# Altium PCB Fri3d_2024_Exp0_00.PcbDoc (part 2 of 2)
Units mm, origin at the board's own origin, x right, y up, seen from the top; angles counter-clockwise.
Board outline 99 x 104 mm, 2 copper layers (Top Layer, Bottom Layer), stack 1.571 mm thick; 37 components, 51 nets, 303 pads, 117 vias.
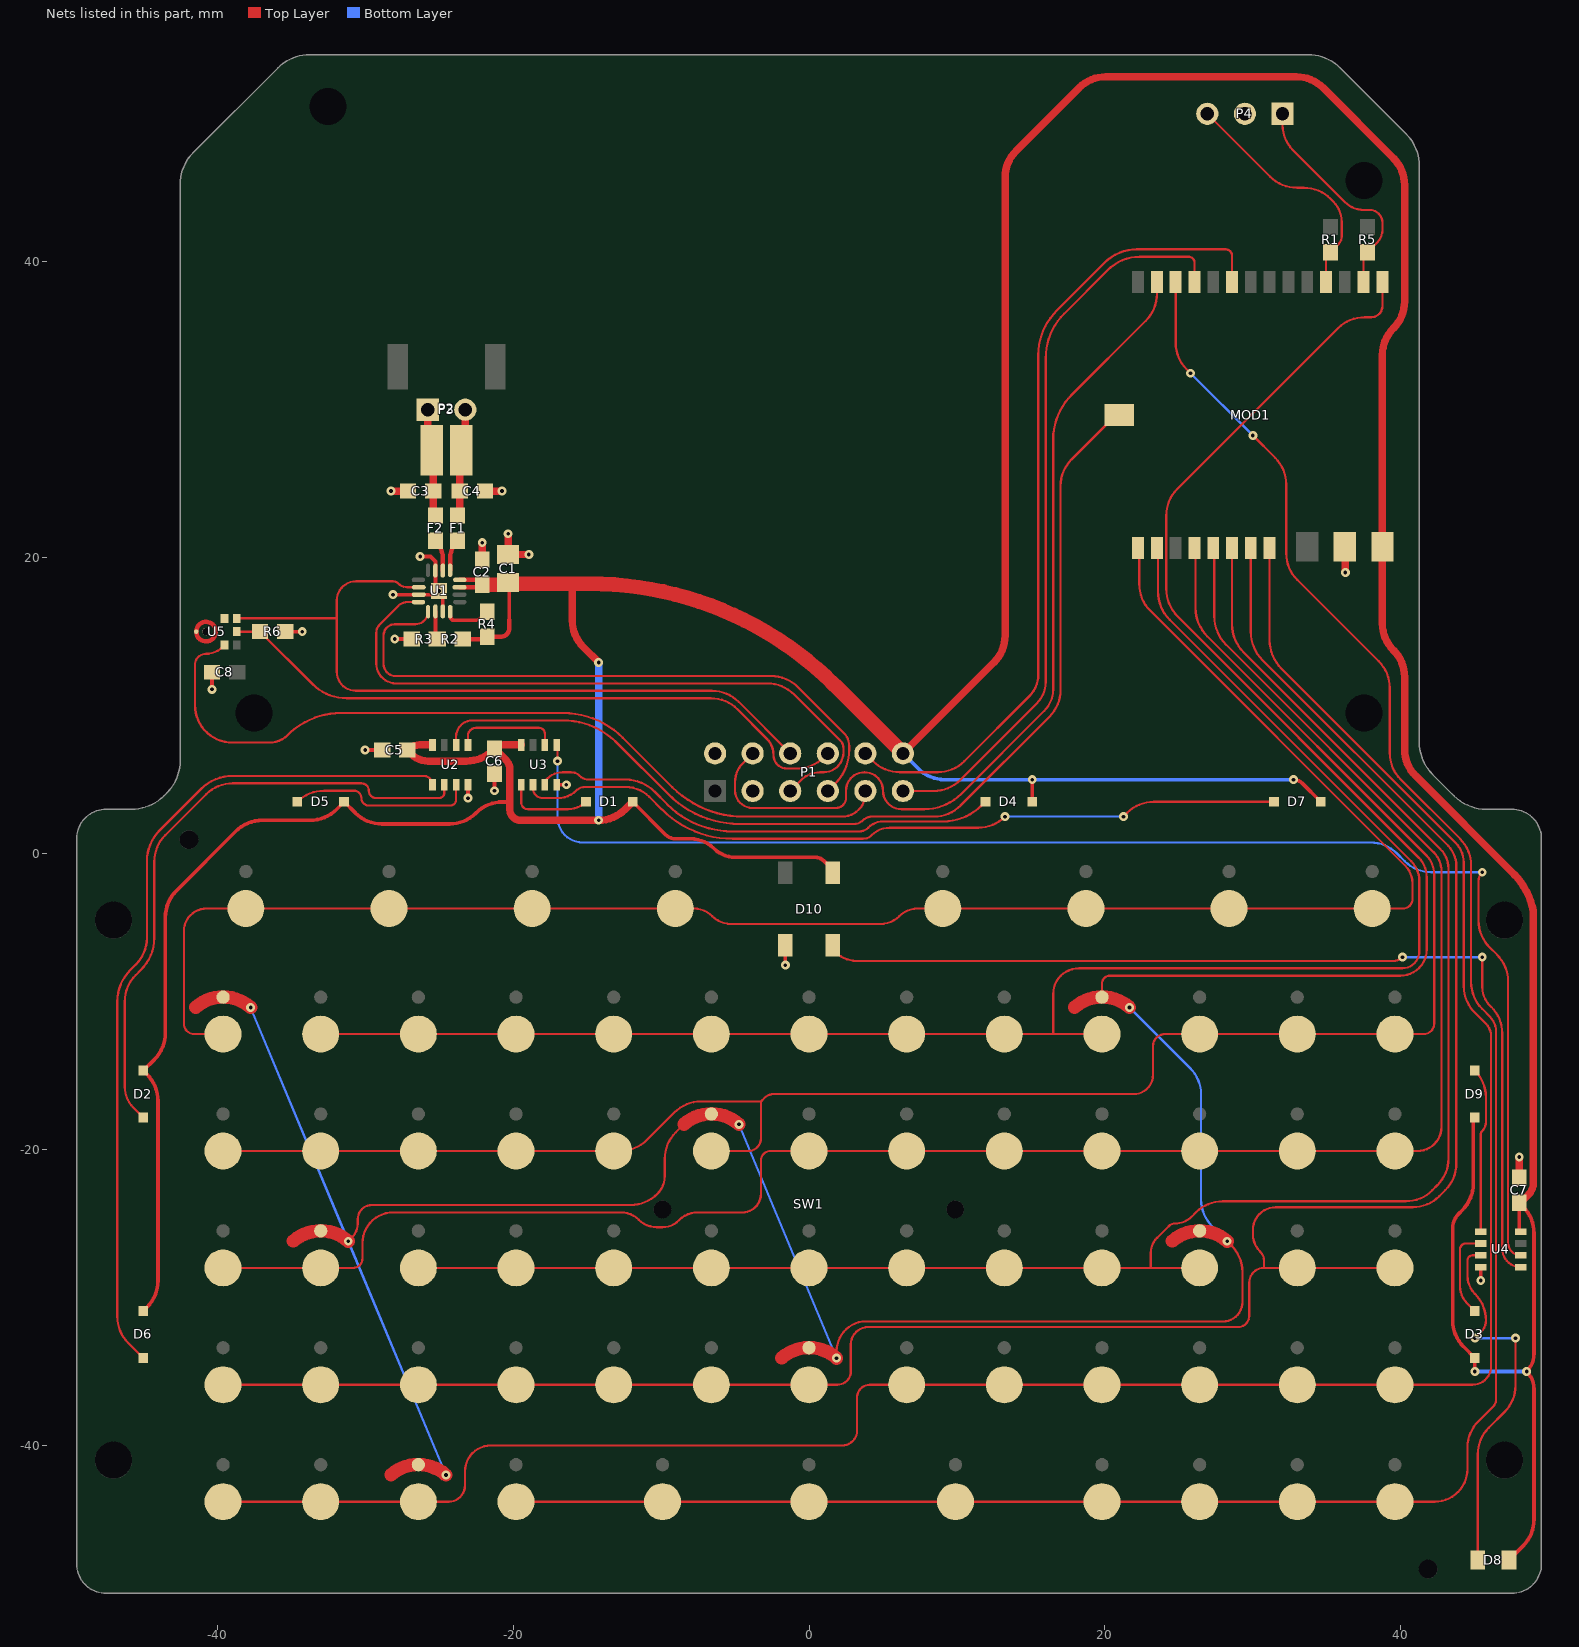
[diagram p2: the nets of this part, all layers, seen from the top]

## Via types
v1: diameter 0.6, hole 0.25, Top Layer to Bottom Layer, 117 vias

## Nets (pads, with @x,y where several pads share a name; then routed paths per layer and width w, separated by ;. In a path a pad name is that pad's centre, name@x,y a point inside that pad or via, vN(x,y) a via of type N, cw(c..) or ccw(c..) an arc to the next point about the centre after c; other vN are vias at no path point) (continued)
COL8: MOD1.12 SW1.17 SW1.35 SW1.53 SW1.71 SW1.89 SW1.107 SW1.125 | length 215.1
  Top Layer w0.15: v1(-31.138,-26.2) -30.898,-25.96 ccw(c-31.858,-25) -30.5,-25 -30.5,-24.707 cw(c-29.543,-24.707) -29.543,-23.75 -12.052,-23.75 ccw(c-12.052,-21.21) -10.256,-23.006 ccw(c-11.478,-21.784) -9.75,-21.784 -9.75,-20.637 cw(c-7.21,-20.637) -9.006,-18.841 -8.451,-18.287 ; v1(1.862,-34.1) 1.862,-33.638 cw(c3.9,-33.638) 3.584,-31.625 27.971,-31.625 ccw(c27.971,-30.301) 29.294,-30.301 29.294,-28.284 ccw(c26.754,-28.284) 28.55,-26.488 v1(28.262,-26.2) ; SW1.35@19.8,-9.699 19.8,-9.69 19.8,-8.79 cw(c20.34,-8.79) 20.34,-8.25 39.978,-8.25 ccw(c39.978,-6.478) 41.75,-6.478 41.75,-1.596 ccw(c39.864,-1.596) 41.197,-0.262 24.935,16 cw(c26.842,17.907) 24.145,17.907 24.145,22.843 cw(c26.685,22.843) 24.889,24.639 35.756,35.506 cw(c37.552,33.71) 37.552,36.25 38,36.25 ccw(c38,37) 38.75,37 MOD1.12@38.75,38.63
  Bottom Layer w0.15: v1(-37.738,-10.4) v1(-31.138,-26.2) v1(-24.538,-42) ; v1(-4.738,-18.3) v1(1.862,-34.1) ; v1(21.662,-10.4) 25.756,-14.494 cw(c23.96,-16.29) 26.5,-16.29 26.5,-23.386 ccw(c29.04,-23.386) 27.244,-25.182 v1(28.262,-26.2)
ESP.IO2: P1.5 U1.16 | length 45.2
  Top Layer w0.15: U1.16@-26.4,17 -27.146,17 ccw(c-27.146,16.146) -27.75,16.75 -29.021,15.479 ccw(c-28.469,14.927) -29.25,14.927 -29.25,12.85 ccw(c-27.9,12.85) -27.9,11.5 -2.802,11.5 cw(c-2.802,8.96) -1.006,10.756 2.113,7.637 ; P1.5@-1.27,4.23 -0.53,4.97 cw(c0.75,3.689) 0.75,5.5 0.999,5.5 ccw(c0.999,6.824) 2.323,6.824 2.323,7.13 ccw(c1.607,7.13) 2.114,7.636
ESP.IO15: P1.8 R6.1 U5.6 | length 44.3
  Top Layer w0.15: U5.6@-38.676,15 R6.1@-37.1,15 -33.554,11.455 ccw(c-31.25,13.759) -31.25,10.5 -8.898,10.5 -6.636,10.5 cw(c-6.636,7.96) -4.84,9.756 -2.867,7.783 cw(c-4.003,6.646) -2.396,6.646 ccw(c-1.5,6.646) -1.5,5.75 -0.802,5.75 ccw(c-0.802,8.29) 0.994,6.494 P1.8@1.27,6.77
ESP.IO16: P1.7 U1.1 | length 43.4
  Top Layer w0.15: U1.1@-25.75,16.35 cw(c-26.6,16.35) -26.6,15.5 -28,15.5 ccw(c-28,14.75) -28.75,14.75 -28.75,12.81 ccw(c-27.94,12.81) -27.94,12 -4.296,12 -2.552,12 cw(c-2.552,9.46) -0.756,11.256 2.351,8.149 cw(c1.461,7.259) 2.72,7.259 2.72,7.029 cw(c-0.537,7.029) 1.766,4.726 P1.7@1.27,4.23
ESP.IO17: P1.9 U5.4 | length 56
  Top Layer w0.15: U5.4@-39.498,14.1 -39.637,13.961 cw(c-40.75,15.074) -40.75,13.5 ccw(c-40.75,12.75) -41.5,12.75 -41.5,10.04 ccw(c-38.96,10.04) -38.96,7.5 -36.457,7.5 ccw(c-36.457,9.207) -35.25,8 cw(c-31.629,4.379) -31.629,9.5 -16.603,9.5 cw(c-16.603,3.818) -12.586,7.836 -9.237,4.487 ccw(c-4.439,9.286) -4.439,2.5 2.25,2.5 ccw(c2.25,4.06) 3.81,4.06 P1.9@3.81,4.23
ESP.IO43: P1.3
ESP.IO44: MOD1.24 P1.4 | length 61.9
  Top Layer w0.15: P1.4@-3.81,6.77 -4.468,6.112 ccw(c-3.184,4.828) -5,4.828 -5,4.255 ccw(c-3.833,4.255) -3.833,3.089 1.839,3.089 ccw(c1.839,3.75) 2.5,3.75 2.5,4.25 cw(c3.75,4.25) 3.75,5.5 cw(c3.75,4.25) 5,4.25 ccw(c6.25,4.25) 6.25,3 7.793,3 ccw(c7.793,6.518) 10.28,4.03 15.896,9.646 ccw(c14.439,11.104) 16.5,11.104 16.5,27.991 cw(c20.747,27.991) 17.744,30.994 22.766,36.016 ccw(c20.97,37.812) 23.51,37.812 MOD1.24@23.51,38.63
ESP.IO47: P1.6 U1.14 U5.1 | length 51
  Top Layer w0.15: U5.1@-38.676,15.9 -31.92,15.9 ; U1.14@-26.375,18 -27.146,18 cw(c-27.146,18.854) -27.75,18.25 ccw(c-28.112,17.888) -28.112,18.4 -30.626,18.4 ccw(c-30.626,17.106) -31.92,17.106 -31.92,15.9 ; P1.6@-1.27,6.77 -4.756,10.256 ccw(c-6.552,8.46) -6.55,11 ccw(c-6.552,8.46) -6.552,11 -6.679,11 -30.63,11 cw(c-30.63,12.29) -31.92,12.29 -31.92,15.9
GND: C1.2 C2.2 C3.2 C4.2 C5.2 C6.2 C7.2 C8.2 D10.3 MOD1.10 P1.2 P4.2 R3.2 R6.2 U1.3 U1.11 U1.15 U1.17 U2.4 U3.4 U4.4 U5.2 U5.3 | length 26.9
  Top Layer w0.25: v1(-40.35,11.1) C8.2@-40.35,12.25 ; R6.2@-35.4,15 v1(-34.25,15) ; v1(-30,7) C5.2@-28.85,7 ; v1(-28.112,17.5) U1.15@-26.375,17.5 -25.25,17.5 v1(-25,17.75) ; v1(-28,14.5) R3.2@-26.85,14.5 ; v1(-26.283,20.082) -25.586,20.082 -25.25,19.746 U1.11@-25.25,19.125 -25.25,18 v1(-25,17.75) ; U1.3@-24.75,16.375 -24.75,17.5 v1(-25,17.75) ; v1(-23.05,3.75) U2.4@-23.05,4.65 ; v1(-21.25,4.25) C6.2@-21.25,5.4 ; U3.4@-17.05,4.65 v1(-16.4,4.65) ; v1(-1.6,-7.54) D10.3@-1.6,-6.2 ; v1(45.4,-28.85) U4.4@45.4,-27.95
  Top Layer w0.5: v1(-28.25,24.5) C3.2@-27.1,24.5 ; C2.2@-22.087,19.863 v1(-22.087,21.013) ; C4.2@-21.9,24.5 v1(-20.75,24.5) ; v1(-20.337,21.613) C1.2@-20.337,20.213 v1(-18.937,20.213) ; MOD1.10@36.21,20.75 cw(c36.113,20.653) 36.25,20.653 v1(36.25,19) ; C7.2@48,-21.9 v1(48,-20.5)
I2C.SCL: MOD1.22 P1.11 | length 50
  Top Layer w0.15: P1.11@6.35,4.23 8.428,4.23 ccw(c8.428,6.77) 10.224,4.974 15.396,10.146 ccw(c13.939,11.604) 16,11.604 16,33.491 cw(c20.247,33.491) 17.244,36.494 20.192,39.442 cw(c22.355,37.279) 22.355,40.338 25.662,40.338 cw(c25.662,39.95) 26.05,39.95 MOD1.22@26.05,38.63
I2C.SDA: MOD1.20 P1.10 | length 55.5
  Top Layer w0.15: P1.10@3.81,6.77 4.336,6.244 ccw(c6.132,8.04) 6.132,5.5 8.698,5.5 ccw(c8.698,8.04) 10.494,6.244 14.896,10.646 ccw(c13.439,12.104) 15.5,12.104 15.5,33.698 cw(c19.747,33.698) 16.744,36.701 19.985,39.942 cw(c22.148,37.779) 22.148,40.838 28.162,40.838 cw(c28.162,40.41) 28.59,40.41 MOD1.20@28.59,38.63
LED.DATA: MOD1.26 U2.6 | length 68.7
  Top Layer w0.15: U2.6@-23.85,7.35 -23.85,7.9 cw(c-22.75,7.9) -22.75,9 -16.613,9 cw(c-16.613,3.899) -13.006,7.506 -9.487,3.987 ccw(c-4.689,8.786) -4.689,2 3.043,2 ccw(c3.043,2.854) 3.646,2.25 cw(c4.25,1.646) 4.25,2.5 8.448,2.5 ccw(c8.448,5.04) 10.244,3.244 16.256,9.256 ccw(c14.46,11.052) 17,11.052 17,24.846 cw(c19.54,24.846) 17.744,26.642 20.581,29.479 cw(c20.97,29.09) MOD1.26@20.97,29.64
NetD1_2: D1.2 U3.1 | length 6
  Top Layer w0.15: U3.1@-19.45,4.65 -19.45,3.45 ccw(c-19,3.45) -19,3 -16.292,3 ccw(c-16.292,4.707) D1.2@-15.085,3.5
NetD2_2: D2.2 U2.2 | length 41.8
  Top Layer w0.15: D2.2@-45,-17.835 -45.66,-17.175 cw(c-44.234,-15.75) -46.25,-15.75 -46.25,-10.009 cw(c-43.71,-10.009) -45.506,-8.213 -45.14,-7.848 ccw(c-47.29,-5.698) -44.25,-5.698 -44.25,-0.552 cw(c-41.71,-0.552) -43.506,1.244 -40.744,4.006 cw(c-38.948,2.21) -38.948,4.75 -30.25,4.75 cw(c-30.25,4.25) -29.75,4.25 ccw(c-29.25,4.25) -29.25,3.75 -25,3.75 ccw(c-25,4.1) -24.65,4.1 U2.2@-24.65,4.65
NetD3_2: D3.2 U4.2 | length 6.1
  Top Layer w0.15: D3.2@45,-30.915 44.47,-30.385 cw(c45.605,-29.25) 44,-29.25 44,-26.75 cw(c44.4,-26.75) 44.4,-26.35 U4.2@45.4,-26.35
NetD4_2: D4.2 U3.3 | length 31.9
  Top Layer w0.15: U3.3@-17.85,4.65 cw(c-17.246,4.65) -17.673,5.077 cw(c-16.651,4.055) -16.651,5.5 -16.104,5.5 cw(c-16.104,4.646) -15.5,5.25 ccw(c-14.896,5.854) -14.896,5 -12.384,5 cw(c-12.384,2.263) -10.448,4.198 -9.575,3.325 ccw(c-5.168,7.732) -5.168,1.5 3.396,1.5 ccw(c3.396,2.354) 4,1.75 cw(c5.03,0.72) 5.03,2.177 9.082,2.177 ccw(c9.082,5.821) 11.659,3.244 D4.2@11.915,3.5
NetD5_2: D5.2 U2.3 | length 12.7
  Top Layer w0.15: D5.2@-34.585,3.5 -34.579,3.506 cw(c-32.783,1.71) -32.783,4.25 -30.75,4.25 cw(c-30.75,3.75) -30.25,3.75 ccw(c-29.75,3.75) -29.75,3.25 -24.25,3.25 ccw(c-24.25,3.65) -23.85,3.65 U2.3@-23.85,4.65
NetD6_2: D6.2 U2.1 | length 57.3
  Top Layer w0.15: D6.2@-45,-34.085 -46.006,-33.079 cw(c-44.21,-31.283) -46.75,-31.283 -46.75,-10.009 cw(c-43.71,-10.009) -45.86,-7.86 -45.494,-7.494 ccw(c-47.29,-5.698) -44.75,-5.698 -44.75,-0.552 cw(c-41.71,-0.552) -43.86,1.598 -41.098,4.36 cw(c-38.948,2.21) -38.948,5.25 -26.05,5.25 cw(c-26.05,4.65) U2.1@-25.45,4.65
NetD7_2: D7.2 U3.2 | length 52.7
  Top Layer w0.15: U3.2@-18.65,4.65 -18.65,4.4 ccw(c-18,4.4) -18,3.75 -16.957,3.75 ccw(c-16.957,5.457) -15.75,4.25 cw(c-15.146,3.646) -15.146,4.5 -12.384,4.5 cw(c-12.384,2.263) -10.802,3.845 -9.929,2.972 ccw(c-5.168,7.732) -5.168,1 3.646,1 ccw(c3.646,1.854) 4.25,1.25 cw(c5.457,0.043) 5.457,1.75 11.439,1.75 ccw(c11.439,4.311) v1(13.25,2.5) ; v1(21.25,2.5) 21.506,2.756 cw(c23.302,0.96) 23.302,3.5 D7.2@31.415,3.5
  Bottom Layer w0.15: v1(13.25,2.5) v1(21.25,2.5)
NetD8_2: D8.2 U4.3 | length 25.5
  Top Layer w0.15: v1(45,-32.75) 45.433,-32.317 ccw(c44.669,-31.552) 45.75,-31.552 ccw(c43.21,-31.552) 45.555,-30.576 ccw(c45.33,-30.58) 45.48,-30.412 ccw(c43.21,-31.552) 45.006,-29.756 45,-29.75 cw(c46.207,-28.543) 44.5,-28.543 44.5,-27.5 cw(c44.85,-27.5) 44.85,-27.15 U4.3@45.4,-27.15 ; D8.2@45.2,-47.75 45.2,-40.602 cw(c47.74,-40.602) 45.944,-38.806 47.006,-37.744 ccw(c45.21,-35.948) 47.75,-35.948 v1(47.75,-32.75)
  Bottom Layer w0.15: v1(45,-32.75) v1(47.75,-32.75)
NetD9_2: D9.2 U4.1 | length 11.2
  Top Layer w0.15: D9.2@45,-14.665 45.006,-14.671 cw(c43.21,-16.467) 45.75,-16.467 45.75,-18.146 cw(c44.896,-18.146) 45.5,-18.75 ccw(c45.741,-18.991) 45.4,-18.991 U4.1@45.4,-25.55
NetD10_4: D10.4 U4.5 | length 66.5
  Top Layer w0.15: D10.4@1.6,-6.2 ccw(c2.245,-6.2) 1.789,-6.656 ccw(c3.222,-5.223) 3.222,-7.25 ; 3.222,-7.25 39.503,-7.25 ccw(c39.503,-6.396) v1(40.106,-7) ; v1@45.5,-6.993 v1(45.5,-7) 45.5,-9.023 ccw(c47.271,-9.023) 46.112,-10.362 cw(c44.316,-12.158) 46.856,-12.158 46.856,-26.706 ccw(c48.1,-26.706) U4.5@48.1,-27.95
  Bottom Layer w0.15: v1(40.106,-7) v1(45.5,-7)
NetF1_1: F1.1 U1.9 | length 2.1
  Top Layer w0.3: U1.9@-24.25,19.15 -24.25,19.943 cw(c-22.543,19.943) F1.1@-23.75,21.15
NetF2_1: F2.1 U1.10 | length 2.2
  Top Layer w0.3: F2.1@-25.25,21.15 cw(c-26.457,19.943) -24.75,19.943 U1.10@-24.75,19.125
NetR2_1: R2.1 R3.1 U1.2 | length 1.9
  Top Layer w0.25: U1.2@-25.25,16.375 -25.25,14.6 R3.1@-25.15,14.5
NetU2_5: U2.5 U3.6 | length 7.1
  Top Layer w0.15: U2.5@-23.05,7.35 -23.05,7.95 cw(c-22.5,7.95) -22.5,8.5 -18.25,8.5 cw(c-18.25,8.1) -17.85,8.1 U3.6@-17.85,7.35
NetU3_5: U3.5 U4.6 | length 96.1
  Top Layer w0.15: U3.5@-17.05,7.35 -17,7.3 v1(-17,6.25) ; v1@45.5,-1.25 ccw(c46.104,-1.854) 45.25,-1.854 45.25,-4.534 ccw(c47.79,-4.534) 45.994,-6.33 46.506,-6.842 cw(c44.71,-8.638) 47.25,-8.638 47.25,-26.3 ccw(c48.1,-26.3) U4.6@48.1,-27.15
  Bottom Layer w0.15: v1(-17,6.25) -17,2.457 ccw(c-15.293,2.457) -16.5,1.25 ccw(c-15.293,2.457) -15.293,0.75 37.948,0.75 cw(c37.948,-1.79) 39.744,0.006 40.264,-0.514 ccw(c42.06,1.283) 42.06,-1.257 v1(45.5,-1.257)
ROW0: MOD1.1 SW1.2 SW1.4 SW1.6 SW1.8 SW1.10 SW1.12 SW1.14 SW1.16 SW1.18 | length 125.4
  Top Layer w0.15: SW1.18@-39.6,-12.2 -41.55,-12.2 cw(c-41.55,-11.5) -42.25,-11.5 -42.25,-5.25 cw(c-40.71,-5.25) -40.71,-3.71 SW1.2@-38.06,-3.71 SW1.4@-28.385,-3.71 SW1.6@-18.71,-3.71 SW1.8@-9.035,-3.71 -7.788,-3.71 cw(c-7.788,-5.485) -6.533,-4.23 ccw(c-5.277,-2.975) -6.532,-4.231 ccw(c-5.277,-2.975) -5.277,-4.75 4.841,-4.75 ccw(c4.841,-2.975) 6.096,-4.23 cw(c7.352,-5.485) 6.097,-4.229 cw(c7.352,-5.485) 7.352,-3.71 SW1.10@9.04,-3.71 SW1.12@18.715,-3.71 SW1.14@28.39,-3.71 SW1.16@38.065,-3.71 40.139,-3.71 ccw(c40.139,-3.059) 40.79,-3.059 40.79,-2.016 ccw(c39.091,-2.016) 40.292,-0.814 23.074,16.404 cw(c24.908,18.237) 22.315,18.237 22.315,20.575 MOD1.1@22.24,20.65
ROW1: MOD1.2 SW1.20 SW1.22 SW1.24 SW1.26 SW1.28 SW1.30 SW1.32 SW1.34 SW1.36 | length 116.3
  Top Layer w0.15: SW1.20@-33,-12.2 SW1.22@-26.4,-12.2 SW1.24@-19.8,-12.2 SW1.26@-13.2,-12.2 SW1.28@-6.6,-12.2 SW1.30@0,-12.2 SW1.32@6.6,-12.2 SW1.34@13.2,-12.2 16.5,-12.2 ; SW1.36@19.8,-12.2 16.5,-12.2 ; MOD1.2@23.51,20.65 23.585,20.575 23.585,17.717 ccw(c26.281,17.717) 24.375,15.81 40.697,-0.512 cw(c39.364,-1.846) 41.25,-1.846 41.25,-6.606 cw(c40.106,-6.606) 40.106,-7.75 18.25,-7.75 ccw(c18.25,-9.5) 16.5,-9.5 16.5,-12.2
ROW2: MOD1.4 SW1.38 SW1.40 SW1.42 SW1.44 SW1.46 SW1.48 SW1.50 SW1.52 SW1.54 | length 131.7
  Top Layer w0.15: SW1.44@-39.6,-20.1 SW1.46@-33,-20.1 SW1.48@-26.4,-20.1 SW1.50@-19.8,-20.1 SW1.52@-13.2,-20.1 -12.758,-20.1 ccw(c-12.758,-17.56) -10.962,-19.356 -9.1,-17.494 cw(c-7.304,-19.29) -7.304,-16.75 -3.25,-16.75 ; SW1.54@-6.6,-20.1 -4.1,-20.1 ccw(c-4.1,-19.25) -3.25,-19.25 -3.25,-16.75 ; MOD1.4@26.05,20.65 26.125,20.575 26.125,16.599 ccw(c28.839,16.599) 26.92,14.679 41.697,-0.098 cw(c40.364,-1.432) 42.25,-1.432 42.25,-11.5 cw(c41.55,-11.5) 41.55,-12.2 SW1.42@39.6,-12.2 SW1.40@33,-12.2 SW1.38@26.4,-12.2 24.05,-12.2 ccw(c24.05,-13) 23.25,-13 23.25,-14.957 cw(c21.957,-14.957) 23.205,-15.295 cw(c21.957,-14.957) 22.295,-16.205 cw(c21.957,-14.957) 21.957,-16.25 -2.396,-16.25 ccw(c-2.396,-17.104) -3,-16.5 -3.25,-16.75
ROW3: MOD1.5 SW1.56 SW1.58 SW1.60 SW1.62 SW1.64 SW1.66 SW1.68 SW1.70 SW1.72 | length 135.1
  Top Layer w0.15: SW1.70@-39.6,-28 SW1.72@-33,-28 -30.812,-28 ccw(c-30.812,-27.368) -30.18,-27.368 -30.18,-26.321 cw(c-28.109,-26.321) -28.109,-24.25 -12.707,-24.25 cw(c-12.707,-25.957) -11.501,-24.749 ; -11.5,-24.75 ccw(c-10.293,-23.543) -10.293,-25.25 -9.906,-25.25 ccw(c-9.906,-23.667) -8.786,-24.786 -8.75,-24.75 cw(c-7.543,-25.957) -7.543,-24.25 -4.5,-24.25 ccw(c-4.5,-23) -3.25,-23 -3.25,-20.75 cw(c-2.6,-20.75) -2.6,-20.1 SW1.56@0,-20.1 SW1.58@6.6,-20.1 SW1.60@13.2,-20.1 SW1.62@19.8,-20.1 SW1.64@26.4,-20.1 SW1.66@33,-20.1 SW1.68@39.6,-20.1 41.121,-20.1 ccw(c41.121,-18.471) 42.75,-18.471 42.75,-1.225 ccw(c40.864,-1.225) 42.197,0.109 28.19,14.117 cw(c30.109,16.036) 27.395,16.036 27.395,20.575 MOD1.5@27.32,20.65
ROW4: MOD1.6 SW1.74 SW1.76 SW1.78 SW1.80 SW1.82 SW1.84 SW1.86 SW1.88 SW1.90 | length 124.2
  Top Layer w0.15: SW1.74@-26.4,-28 SW1.76@-19.8,-28 SW1.78@-13.2,-28 SW1.80@-6.6,-28 SW1.82@0,-28 SW1.84@6.6,-28 SW1.86@13.2,-28 SW1.88@19.8,-28 23.1,-28 ; 23.528,-25.959 ccw(c24.564,-26.993) 23.1,-26.993 23.1,-28 ; 23.529,-25.958 24.306,-25.181 cw(c24.744,-25.619) 24.744,-25 ccw(c24.744,-23.415) 25.025,-24.975 ccw(c24.744,-23.415) 25.864,-24.536 26.156,-24.244 cw(c27.952,-26.04) 27.952,-23.5 40.331,-23.5 ccw(c40.331,-20.96) 42.127,-22.756 42.477,-22.405 ccw(c40.681,-20.609) 43.221,-20.609 43.221,-1.03 ccw(c41.335,-1.03) 42.669,0.304 29.385,13.588 cw(c31.304,15.507) 28.59,15.507 MOD1.6@28.59,20.65 ; SW1.90@26.4,-28 23.1,-28
ROW5: MOD1.7 SW1.92 SW1.94 SW1.96 SW1.98 SW1.100 SW1.102 SW1.104 SW1.106 SW1.108 | length 151.6
  Top Layer w0.15: SW1.96@-39.6,-35.9 SW1.98@-33,-35.9 SW1.100@-26.4,-35.9 SW1.102@-19.8,-35.9 SW1.104@-13.2,-35.9 SW1.106@-6.6,-35.9 SW1.108@0,-35.9 1.921,-35.9 ccw(c1.921,-34.994) 2.827,-34.994 2.827,-33.173 cw(c4,-33.173) 4,-32 29,-32 ccw(c29,-31.25) 29.75,-31.25 29.75,-29 cw(c30.75,-29) 30.75,-28 ; MOD1.7@29.86,20.65 29.86,14.985 ccw(c32.574,14.985) 30.655,13.066 43.197,0.523 cw(c41.864,-0.811) 43.75,-0.811 43.75,-20.948 cw(c41.21,-20.948) 43.006,-22.744 42.594,-23.156 cw(c40.798,-21.36) 40.798,-23.9 31.545,-23.9 ccw(c31.545,-25.445) 30,-25.445 30,-25.738 ccw(c31.599,-25.738) 30.468,-26.868 30.503,-26.903 cw(c29.905,-27.5) 30.75,-27.5 30.75,-28 ; SW1.94@39.6,-28 SW1.92@33,-28 30.75,-28
ROW6: MOD1.8 SW1.110 SW1.112 SW1.114 SW1.116 SW1.118 SW1.120 SW1.122 SW1.124 SW1.126 | length 153.4
  Top Layer w0.15: SW1.122@-39.6,-43.8 SW1.126@-26.401,-43.8 ; SW1.126@-26.4,-43.801 -24.355,-43.801 ccw(c-24.355,-42.696) -23.25,-42.696 -23.25,-41.748 cw(c-21.502,-41.748) -21.502,-40 2.25,-40 ccw(c2.25,-39) 3.25,-39 3.25,-36.75 cw(c4.1,-36.75) 4.1,-35.9 SW1.110@6.6,-35.9 SW1.112@13.2,-35.9 SW1.114@19.8,-35.9 SW1.116@26.4,-35.9 SW1.118@33,-35.9 SW1.120@39.6,-35.9 44.85,-35.9 ccw(c44.85,-34.651) 46.099,-34.651 46.099,-12.344 ccw(c44.906,-12.344) 45.75,-11.5 44.994,-10.744 cw(c46.79,-8.948) 44.593,-10.222 cw(c46.79,-8.948) 44.25,-8.948 44.25,-0.604 ccw(c42.364,-0.604) 43.697,0.73 31.925,12.503 cw(c33.844,14.422) 31.13,14.422 MOD1.8@31.13,20.65
ROW7: MOD1.23 SW1.128 SW1.130 SW1.132 SW1.134 SW1.136 SW1.138 SW1.140 SW1.142 | length 154.6
  Top Layer w0.15: SW1.128@-19.8,-43.801 SW1.130@-9.9,-43.801 SW1.132@0,-43.801 SW1.134@9.9,-43.801 SW1.136@19.8,-43.801 SW1.138@26.4,-43.801 SW1.140@33,-43.801 SW1.142@39.6,-43.801 42.299,-43.801 ccw(c42.299,-41.6) 44.5,-41.6 44.5,-40.152 cw(c47.04,-40.152) 45.244,-38.356 46.256,-37.344 ccw(c45.82,-36.908) 46.437,-36.908 46.437,-12.046 ccw(c44.967,-12.046) 46.006,-11.006 45.494,-10.494 cw(c47.29,-8.698) 44.75,-8.698 44.75,-0.802 ccw(c42.21,-0.802) 44.006,0.994 39.994,5.006 cw(c41.79,6.802) 39.25,6.802 39.25,11.198 ccw(c36.71,11.198) 38.506,12.994 32.994,18.506 cw(c34.79,20.302) 32.25,20.302 32.25,24.948 ccw(c29.71,24.948) 31.506,26.744 v1(30,28.25) ; MOD1.23@24.78,38.63 24.78,34.522 ccw(c27.32,34.522) 25.524,32.726 v1(25.786,32.464)
  Bottom Layer w0.15: v1(25.786,32.464) v1(30,28.25)
S\D\_\M\O\D\E\: R4.2 U1.4 | length 3.2
  Top Layer w0.25: U1.4@-24.25,16.35 -24.25,16.05 ccw(c-23.962,16.05) -23.962,15.762 -22.63,15.762 ccw(c-22.63,16.548) -22.074,15.992 cw(c-21.992,15.992) -22.05,16.05 R4.2@-21.75,16.35
SPK_N: C3.1 F2.2 P2.2 P3.1 | length 7.3
  Top Layer w0.5: P3.1@-25.77,30 -25.77,27.902 ccw(c-24.848,27.902) P2.2@-25.5,27.25 cw(c-25.742,27.008) -25.4,27.008 C3.1@-25.4,24.5 -25.4,23.212 ccw(c-24.888,23.212) F2.2@-25.25,22.85
SPK_P: C4.1 F1.2 P2.1 P3.2 | length 7.3
  Top Layer w0.5: F1.2@-23.75,22.85 ccw(c-24.112,23.212) -23.6,23.212 C4.1@-23.6,24.5 -23.6,27.008 cw(c-23.258,27.008) P2.1@-23.5,27.25 ccw(c-24.152,27.902) -23.23,27.902 P3.2@-23.23,30
SWC: MOD1.15 P4.3 R1.2 | length 16.7
  Top Layer w0.15: P4.3@26.92,50 31.176,45.744 ccw(c32.972,47.54) 32.972,45 33.448,45 cw(c33.448,42.46) 35.244,44.256 35.427,44.073 cw(c34.043,42.689) 36,42.689 36,41.699 cw(c35.277,41.699) 35.789,41.189 R1.2@35.25,40.65 34.94,40.34 MOD1.15@34.94,38.63
SWD: MOD1.13 P4.1 R5.2 | length 15.3
  Top Layer w0.15: P4.1@32,50 32,49.254 ccw(c34.424,49.254) 32.709,47.541 36.22,44.03 ccw(c37.5,45.311) 37.5,43.5 37.896,43.5 cw(c37.896,42.646) 38.499,43.251 cw(c37.896,42.646) 38.75,42.646 38.75,42.148 cw(c37.547,42.148) 38.398,41.298 ; MOD1.13@37.48,38.63 37.48,40.38 R5.2@37.75,40.65 38.398,41.297
VSYS: C1.1 C2.1 C5.1 C6.1 C7.1 D1.1 D2.1 D3.1 D4.1 D5.1 D6.1 D7.1 D8.1 D9.1 D10.1 MOD1.11 P1.12 R2.2 R4.1 U1.7 U1.8 U2.8 U3.8 U4.8 | length 382.2
  Top Layer w0.25: D6.1@-45,-30.915 -44.744,-30.659 ccw(c-46.54,-28.863) -44,-28.863 -44,-16.717 ccw(c-46.54,-16.717) -44.744,-14.921 D2.1@-45,-14.665 -44.244,-13.909 ccw(c-46.04,-12.113) -43.5,-12.113 -43.5,-4.302 cw(c-40.96,-4.302) -42.756,-2.506 -38.744,1.506 cw(c-36.948,-0.29) -36.948,2.25 -33.717,2.25 ccw(c-33.717,4.79) -31.921,2.994 D5.1@-31.415,3.5 -30.659,2.744 ccw(c-28.863,4.54) -28.863,2 -24.302,2 ccw(c-24.302,4.54) -22.506,2.744 -22.501,2.749 cw(c-20.705,0.953) -20.705,3.493 -20.215,3.493 ; -20.25,15.813 C1.1@-20.25,18.226 ; D1.1@-11.915,3.5 -9.708,1.293 ccw(c-9,2.002) -9,1 -8.519,1 -7.996,1 cw(c-7.996,-1.19) -6.447,0.359 ccw(c-4.978,1.828) -6.062,0.055 ccw(c-4.978,1.828) -4.978,-0.25 0.428,-0.25 cw(c0.428,-1.021) 0.973,-0.476 1.46,-0.963 cw(c1.123,-1.3) D10.1@1.6,-1.3 ; D4.1@15.085,3.5 v1(15.085,5) ; v1(32.75,5) cw(c32.75,4.191) 33.322,4.763 D7.1@34.585,3.5 ; v1(45,-35) D3.1@45,-34.085 44.244,-33.329 cw(c46.04,-31.533) 43.5,-31.533 43.5,-25.354 cw(c44.957,-25.354) 43.927,-24.323 44.152,-24.097 ccw(c42.356,-22.301) 44.896,-22.301 44.896,-18.084 cw(c45.247,-18.084) D9.1@45,-17.835 ; D8.1@47.3,-47.75 48.256,-46.794 ccw(c46.46,-44.998) 49,-44.998 49,-36.207 ccw(c47.293,-36.207) v1(48.5,-35) ccw(c47.293,-33.793) 49,-33.793 49,-25.652 ccw(c46.46,-25.652) 48.256,-23.856 C7.1@48,-23.6 48,-25.55 U4.8@48.1,-25.55
  Top Layer w0.3: U1.7@-23.625,18 -22.25,18 ccw(c-22.25,18.163) C2.1@-22.087,18.163 ccw(c-22.424,18.163) -22.424,18.5 U1.8@-23.6,18.5 ; R2.2@-23.4,14.5 -22.112,14.5 ccw(c-22.112,15.012) R4.1@-21.75,14.65 -20.85,14.65 ccw(c-20.85,15.25) -20.25,15.25 -20.25,15.813
  Top Layer w0.5: U2.8@-25.45,7.35 -26.305,7.35 ccw(c-26.305,6.155) C5.1@-27.15,7 -26.859,6.71 ccw(c-25.75,7.819) -25.75,6.25 -23.152,6.25 ccw(c-23.152,8.79) -21.356,6.994 C6.1@-21.25,7.1 ; C2.1@-22.087,18.163 cw(c-21.937,18.163) C2.1@-21.937,18.313 ; C1.1@-20.337,18.313 cw(c-20.337,18.226) C1.1@-20.25,18.226 ; U3.8@-19.45,7.35 -20.647,7.35 ccw(c-20.647,6.497) C6.1@-21.25,7.1 ; -16.001,18.243 -16,18.242 -16,15.756 ccw(c-13.46,15.756) -15.256,13.96 v1(-14.217,12.921) ; D1.1@-11.915,3.5 -12.421,2.994 cw(c-14.217,4.79) v1(-14.217,2.25) -19.5,2.25 cw(c-19.5,2.965) -20.215,2.965 -20.215,3.493 -20.215,5.682 ccw(c-21.138,5.682) -20.485,6.335 C6.1@-21.25,7.1 ; P1.12@6.35,6.77 12.506,12.926 ccw(c10.71,14.722) 13.25,14.722 13.25,45.698 cw(c15.79,45.698) 13.994,47.494 18.256,51.756 cw(c20.052,49.96) 20.052,52.5 32.948,52.5 cw(c32.948,49.96) 34.744,51.756 39.506,46.994 cw(c37.71,45.198) 40.25,45.198 40.25,37.302 cw(c37.71,37.302) 39.506,35.506 39.494,35.494 ccw(c41.29,33.698) 38.75,33.698 MOD1.11@38.75,20.75 38.75,15.552 ccw(c41.29,15.552) 39.494,13.756 39.506,13.744 cw(c37.71,11.948) 40.25,11.948 40.25,7.052 ccw(c42.79,7.052) 40.994,5.256 47.646,-1.396 cw(c44.32,-4.723) 48.95,-3.892 48.95,-22.3 cw(c47.89,-22.287) 48.64,-23.036 48.13,-23.546 cw(c48,-23.417) C7.1@48,-23.6
  Top Layer w1: C2.1@-22.078,18.172 -20.478,18.172 C1.1@-20.337,18.313 ; C1.1@-20.408,18.243 C1.1@-20.266,18.243 ; C1.1@-20.25,18.226 C1.1@-20.266,18.243 ; P1.12@6.35,6.77 1.753,11.367 ccw(c-14.847,-5.232) -14.846,18.243 -16.001,18.243 C1.1@-20.266,18.243
  Bottom Layer w0.25: P1.12@6.35,6.77 7.376,5.744 ccw(c9.172,7.54) 9.172,5 v1(15.085,5) v1(32.75,5) ; v1(45,-35) v1(48.5,-35)
  Bottom Layer w0.5: v1(-14.217,2.25) v1(-14.217,12.921)
pads on no net: D10.2 MOD1.3 MOD1.25 P2.M1 P2.M2 SW1.0 U1.5 U1.6 U1.12 U1.13 U2.7 U3.7 U4.7

## Polygon pours and split planes (outlines as drawn)
GND on Top Layer "NONET_L-01_P-001" (solid, remove dead copper, pour order 0): -49.5,-50 -49.5,54 49.5,54 49.5,-50
GND on Bottom Layer "NONET_L-01_P-001" (solid, remove dead copper, pour order 1): -49.5,-50 -49.5,54 49.5,54 49.5,-50

## Other copper
Bottom Layer:
  region: 32.487,42.749 31.568,40.901 31.266,41.028 31.252,41.067 31.771,42.106 29.772,41.283 32.832,40.022 32.84,39.982 29.303,36.444 25.765,39.982 25.773,40.022 28.833,41.283 26.834,42.106 27.342,41.067 27.328,41.028 27.025,40.901 26.106,42.749 26.134,42.779 29.297,41.474 32.459,42.779 hole: 29.302,41.086 26.37,39.881 28.717,37.54 27.519,39.935 27.534,39.974 27.836,40.101 29.302,37.163 30.769,40.101 31.071,39.974 31.086,39.935 29.888,37.534 32.235,39.881
  region: 395 vertices and 2 holes, not listed, extent 20.156,46.966 24.186,50.997
  region: 24.821,23.587 24.821,23.751 25.716,23.764 26.15,23.769 26.725,23.773 27.338,23.776 27.895,23.777 28.438,23.778 28.84,23.782 29.17,23.787 29.178,23.795 29.185,23.898 29.372,25.275 29.562,26.676 29.576,26.727 29.599,26.757 29.638,26.778 29.686,26.787 29.738,26.781 29.757,26.773 29.777,26.76 29.794,26.744 29.804,26.727 29.814,26.693 29.856,26.411 29.903,26.087 29.955,25.711 30.006,25.337 30.05,25.021 30.09,24.736 30.093,24.731 30.094,24.731 30.095,24.732 30.136,25.02 30.181,25.34 30.233,25.721 30.333,26.443 30.375,26.66 30.422,26.754 30.495,26.789 30.568,26.754 30.616,26.659 30.658,26.441 30.76,25.715 30.813,25.332 30.858,25.012 30.899,24.727 30.899,24.726 30.9,24.727 30.932,24.953 31.044,25.77 31.166,26.67 31.167,26.692 31.178,26.723 31.212,26.756 31.257,26.78 31.3,26.789 31.325,26.786 31.351,26.778 31.376,26.766 31.395,26.751 31.409,26.735 31.421,26.717 31.43,26.702 31.432,26.69 31.434,26.672 31.488,26.255 31.549,25.79 31.622,25.241 31.694,24.693 31.756,24.228 31.81,23.811 31.811,23.796 31.821,23.786 32.403,23.782 33.127,23.778 34.167,23.777 35.135,23.776 36.098,23.773 36.935,23.769 37.434,23.764 38.347,23.751 38.347,23.587 31.635,23.597 31.602,23.644 31.581,23.695 31.548,23.883 31.506,24.164 31.441,24.639 31.391,25.003 31.347,25.312 31.307,25.587 31.301,25.6 31.298,25.601 31.296,25.598 31.254,25.325 31.209,25.016 31.158,24.645 31.063,23.957 31.02,23.728 30.975,23.623 30.909,23.587 30.866,23.592 30.828,23.607 30.798,23.629 30.78,23.658 30.769,23.701 30.639,24.625 30.514,25.519 30.503,25.633 30.499,25.637 30.495,25.634 30.475,25.52 30.439,25.273 30.362,24.705 30.314,24.348 30.271,24.037 30.234,23.77 30.226,23.722 30.209,23.667 30.178,23.624 30.137,23.597 30.089,23.587 30.018,23.623 29.972,23.722 29.929,23.946 29.832,24.645 29.781,25.015 29.735,25.325 29.694,25.598 29.692,25.601 29.688,25.6 29.682,25.587 29.642,25.312 29.599,25.003 29.549,24.639 29.484,24.16 29.441,23.881 29.409,23.695 29.388,23.644 29.354,23.597
  region: 18.738,23.587 18.751,23.63 18.78,23.704 18.874,23.892 18.97,24.08 19.04,24.203 19.188,24.429 19.359,24.655 19.538,24.862 19.709,25.028 19.864,25.155 20.04,25.28 20.205,25.387 20.271,25.406 20.305,25.384 20.44,25.075 20.567,24.765 20.663,24.499 20.696,24.397 20.804,24.603 21.008,24.952 21.242,25.27 21.501,25.554 21.784,25.8 21.87,25.861 21.988,25.934 22.108,26.003 22.142,26.012 22.153,26.006 22.185,25.952 22.221,25.887 22.26,25.808 22.34,25.637 22.397,25.502 22.452,25.355 22.528,25.135 22.616,24.874 22.725,25.026 22.838,25.171 22.98,25.33 23.129,25.482 23.267,25.604 23.378,25.688 23.53,25.789 23.685,25.887 23.725,25.898 23.734,25.894 23.759,25.854 23.787,25.806 23.817,25.748 23.961,25.432 24.093,25.082 24.208,24.712 24.3,24.34 24.339,24.147 24.381,23.916 24.418,23.694 24.423,23.624 24.399,23.598 24.049,23.592 23.437,23.588 21.581,23.587
  region: 37.163,32.221 37.146,32.221 37.146,32.203 37.181,32.203 37.181,32.221 37.181,32.238 37.164,32.238
  region: 570 vertices and 0 holes, not listed, extent 36.203,29.846 37.297,32.714
  region: 380 vertices and 0 holes, not listed, extent 35.101,32.256 37.164,33.714
  region: 638 vertices and 0 holes, not listed, extent 33.316,29.73 36.6,32.115
  region: 460 vertices and 0 holes, not listed, extent 33.391,31.77 35.194,33.772

## Silkscreen, mask and mechanical layers (free items; w line width, h text height)
Top Overlay:
  text "SWC" at 18.904,40.874 h2.5 r45
  text "GND" at 21.444,40.874 h2.5 r45
  text "SWD" at 23.984,40.874 h2.5 r45
  text "+" at -22.323,25.53 h1.5
Bottom Overlay:
  drawing of 44 lines, arcs and shapes, not listed
  text "Amplifier" at -12.5,48.75 h2.5
  text "automaton.be" at 19.25,48.5 h2.55
  text "MAX98357A / 3.2W @ 4Ω / 1.8W @ 8Ω" at -12.5,43.315 h2.5
  text "IO47" at -27.25,40.5 h2.5
  text "I²S WS :" at -16.75,40.5 h2.5
  text "IO17" at -27.25,38.75 h2.5
  text "I²S SCK :" at -16.75,38.75 h2.5
  text "MIC" at -11.25,38.75 h2.5
  text "IO15" at -27.25,37 h2.5
  text "I²S SD :" at -16.75,37 h2.5
  text "IO16" at -27.25,35.25 h2.5
  text "I²S DIN :" at -16.75,35.25 h2.5
  text "IO02" at -27.25,33.5 h2.5
  text "I²S BCK :" at -16.75,33.5 h2.5
  text "AMP" at -11.25,33.5 h2.5
  text "IO47" at -27.25,31.75 h2.5
  text "I²S LRCK :" at -16.75,31.75 h2.5
  text "IO18" at -27.25,26.25 h2.5
  text "I²C SCL :" at -16.75,26.25 h2.5
  text "IO09" at -27.25,24.5 h2.5
  text "I²C SDA :" at -16.75,24.5 h2.5
  text "IO44" at -27.25,21 h2.5
  text "LANA Tx :" at -16.75,21 h2.5
  text "GND" at -6.85,8.29 h1.5 r270
  text "44" at -4.31,8.29 h1.5 r270
  text "47" at -1.77,8.29 h1.5 r270
  text "15" at 0.77,8.29 h1.5 r270
  text "SDA" at 3.31,8.29 h1.5 r270
  text "VSYS" at 5.85,8.29 h1.5 r270
  text "Wim" at -28.5,8 h2 r351
  text ".PCB_TITLE / Rev. .PCB_Rev" at 39.499,3.487 h2.5 r359.98
  text "3V" at -6.85,-0.29 h1.5 r270
  text "43" at -4.31,-0.29 h1.5 r270
  text "2" at -1.77,-0.29 h1.5 r270
  text "16" at 0.77,-0.29 h1.5 r270
  text "17" at 3.31,-0.29 h1.5 r270
  text "SCL" at 5.85,-0.29 h1.5 r270
Board Outline:
  lines w0.1: -49.5,-48 ccw(c-47.5,-48) -47.5,-50 47.5,-50 ccw(c47.5,-48) 49.5,-48 49.5,1 ccw(c47.5,1) 47.5,3 45.77,3 cw(c45.77,6.066) 43.602,3.898 43.5,4 42.148,5.352 cw(c44.316,7.52) 41.25,7.52 41.25,7.561 41.25,46.48 ccw(c38.184,46.48) 40.352,48.648 35.898,53.102 ccw(c33.73,50.934) 33.73,54 -33.73,54 ccw(c-33.73,50.934) -35.898,53.102 -41.602,47.398 ccw(c-39.434,45.23) -42.5,45.23 -42.5,8.02 -42.5,6.27 cw(c-45.566,6.27) -43.398,4.102 -43.5,4 -43.602,3.898 cw(c-45.77,6.066) -45.77,3 -47.5,3 ccw(c-47.5,1) -49.5,1 -49.5,-48 ; -8,30 ccw(c0,30) -2.071,22.272 ccw(c-2.071,23.343) -1,23.343 -1,32.73 ccw(c-2.27,32.73) -2.27,34 -6.73,34 ccw(c-6.73,32.73) -8,32.73 -8,30 ; -8,37.27 ccw(c-6.73,37.27) -6.73,36 -2.27,36 ccw(c-2.27,37.27) -1,37.27 -1,46.657 ccw(c-2.071,46.657) -2.071,47.727 ccw(c0,40) -8,40 -8,37.27 ; 1,23.343 ccw(c2.071,23.343) 2.071,22.273 ccw(c0,30) 8,30 8,32.73 ccw(c6.73,32.73) 6.73,34 2.27,34 ccw(c2.27,32.73) 1,32.73 1,23.343 ; 1,37.27 ccw(c2.27,37.27) 2.27,36 6.73,36 ccw(c6.73,37.27) 8,37.27 8,40 ccw(c0,40) 2.071,47.728 ccw(c2.071,46.657) 1,46.657 1,37.27
Comments:
  drawing of 600 lines, arcs and shapes, not listed
Fabrication:
  text "White Solder Mask" at -111,-7.5 h1.5
  text "Black Silkscreen" at -111,-10.5 h1.5
  text "1.6mm Thickness" at -111,-16.5 h1.5
Frame:
  drawing of 15 lines, arcs and shapes, not listed
  text "Document" at 180.402,-24.311 h2
  text ".PCB_TITLE" at 181.902,-29.811 h3.2
  text "Layer Name" at 180.402,-34.311 h2
  text "Date" at 180.402,-44.311 h2
  text "Rev" at 220.402,-44.311 h2
  text ".Print_Date" at 183.402,-49.811 h3.5
  text ".PCB_REV" at 224.902,-49.811 h4
  text "Desginer" at 130.402,-54.311 h2
  text "Document" at 180.402,-54.311 h2
  text ".Pcb_File_Name_No_Path" at 181.902,-59.311 h1.5
  text ".PCB_ENGINEER" at 134.902,-59.811 h4
Drill Drawing:
  circle w0.15: c82.744,32.91 r0.444
  lines w0.15: 81.497,23.866 205.136,23.866 ; 81.497,35.866 205.136,35.866 ; 88.895,21.866 88.895,37.866 ; 96.793,21.866 96.793,37.866 ; 111.489,21.866 111.489,37.866 ; 118.287,21.866 118.287,37.866 ; 128.124,21.866 128.124,37.866 ; 148.152,21.866 148.152,37.866 ; 156.07,21.866 156.07,37.866 ; 166.067,21.866 166.067,37.866 ; 174.785,21.866 174.785,37.866 ; 186.382,21.866 186.382,37.866 ; 81.497,21.866 205.136,21.866 205.136,37.866 81.497,37.866 81.497,21.866 ; 82.299,25.355 83.188,25.355 82.744,24.466 82.299,25.355 ; 82.299,26.466 83.188,26.466 83.188,27.355 82.299,27.355 82.299,26.466 ; 82.299,28.466 82.744,28.688 83.188,28.466 82.966,28.91 83.188,29.355 82.744,29.132 82.299,29.355 82.521,28.91 82.299,28.466 ; 82.299,30.688 82.521,30.688 82.744,30.466 82.966,30.688 83.188,30.688 82.966,30.91 83.188,31.132 82.966,31.132 82.744,31.355 82.521,31.132 82.299,31.132 82.521,30.91 82.299,30.688 ; 82.299,34.688 82.521,34.688 82.521,34.466 82.966,34.466 82.966,34.688 83.188,34.688 83.188,35.132 82.966,35.132 82.966,35.355 82.521,35.355 82.521,35.132 82.299,35.132 82.299,34.688
  text "Symbol" at 82.697,36.466 h0.96
  text "Count" at 89.495,36.466 h0.96
  text "Hole Size" at 97.393,36.466 h0.96
  text "Plated" at 112.089,36.466 h0.96
  text "Hole Type" at 118.887,36.466 h0.96
  text "Drill Layer Pair" at 128.724,36.466 h0.96
  text "Via/Pad" at 148.752,36.466 h0.96
  text "Pad Shape" at 156.67,36.466 h0.96
  text "Template" at 166.667,36.466 h0.96
  text "Hole Length" at 175.385,36.466 h0.96
  text "Routed Path Length" at 186.982,36.466 h0.96
  text "1" at 89.495,34.466 h0.8
  text "0.500mm (19.69mil)" at 97.393,34.466 h0.8
  text "NPTH" at 112.089,34.466 h0.8
  text "Round" at 118.887,34.466 h0.8
  text "Top Layer - Bottom Layer" at 128.724,34.466 h0.8
  text "Pad" at 148.752,34.466 h0.8
  text "Rounded" at 156.67,34.466 h0.8
  text "c50hn50" at 166.667,34.466 h0.8
  text "-" at 175.385,34.466 h0.8
  text "-" at 186.982,34.466 h0.8
  text "2" at 89.495,32.466 h0.8
  text "1.200mm (47.24mil)" at 97.393,32.466 h0.8
  text "NPTH" at 112.089,32.466 h0.8
  text "Round" at 118.887,32.466 h0.8
  text "Top Layer - Bottom Layer" at 128.724,32.466 h0.8
  text "Pad" at 148.752,32.466 h0.8
  text "Rounded" at 156.67,32.466 h0.8
  text "c120hn120" at 166.667,32.466 h0.8
  text "-" at 175.385,32.466 h0.8
  text "-" at 186.982,32.466 h0.8
  text "2" at 89.495,30.466 h0.8
  text "1.270mm (50.00mil)" at 97.393,30.466 h0.8
  text "NPTH" at 112.089,30.466 h0.8
  text "Round" at 118.887,30.466 h0.8
  text "Top Layer - Bottom Layer" at 128.724,30.466 h0.8
  text "Pad" at 148.752,30.466 h0.8
  text "Rounded" at 156.67,30.466 h0.8
  text "c127hn127" at 166.667,30.466 h0.8
  text "-" at 175.385,30.466 h0.8
  text "-" at 186.982,30.466 h0.8
  text "8" at 89.495,28.466 h0.8
  text "2.500mm (98.43mil)" at 97.393,28.466 h0.8
  text "NPTH" at 112.089,28.466 h0.8
  text "Round" at 118.887,28.466 h0.8
  text "Top Layer - Bottom Layer" at 128.724,28.466 h0.8
  text "Pad" at 148.752,28.466 h0.8
  text "Rounded" at 156.67,28.466 h0.8
  text "(Mixed)" at 166.667,28.466 h0.8
  text "-" at 175.385,28.466 h0.8
  text "-" at 186.982,28.466 h0.8
  text "17" at 89.495,26.466 h0.8
  text "0.900mm (35.43mil)" at 97.393,26.466 h0.8
  text "PTH" at 112.089,26.466 h0.8
  text "Round" at 118.887,26.466 h0.8
  text "Top Layer - Bottom Layer" at 128.724,26.466 h0.8
  text "Pad" at 148.752,26.466 h0.8
  text "(Mixed)" at 156.67,26.466 h0.8
  text "(Mixed)" at 166.667,26.466 h0.8
  text "-" at 175.385,26.466 h0.8
  text "-" at 186.982,26.466 h0.8
  text "117" at 89.495,24.466 h0.8
  text "0.250mm (9.84mil)" at 97.393,24.466 h0.8
  text "PTH" at 112.089,24.466 h0.8
  text "Round" at 118.887,24.466 h0.8
  text "Top Layer - Bottom Layer" at 128.724,24.466 h0.8
  text "Via" at 148.752,24.466 h0.8
  text "Rounded" at 156.67,24.466 h0.8
  text "v60h25m35" at 166.667,24.466 h0.8
  text "-" at 175.385,24.466 h0.8
  text "-" at 186.982,24.466 h0.8
  text "147 Total" at 89.495,22.466 h0.8

## Dimensions
-33.73,54 to -47.5,-50 on Fabrication
-49.5,-48 to 49.5,-48 on Fabrication